# Altium PCB SupBigBrrg_0.PcbDoc (part 28 of 29)
Units mm, origin at the board's own origin, x right, y up, seen from the top; angles counter-clockwise.
Board outline 400 x 344 mm, 6 copper layers (TopLayer, PlaneGnd, PlanePwr, MidLayer3, MidLayer4, BottomLayer); 1288 components, 1323 nets, 5024 pads, 1078 vias.
Unrouted connection lines stored in the file: 1824.
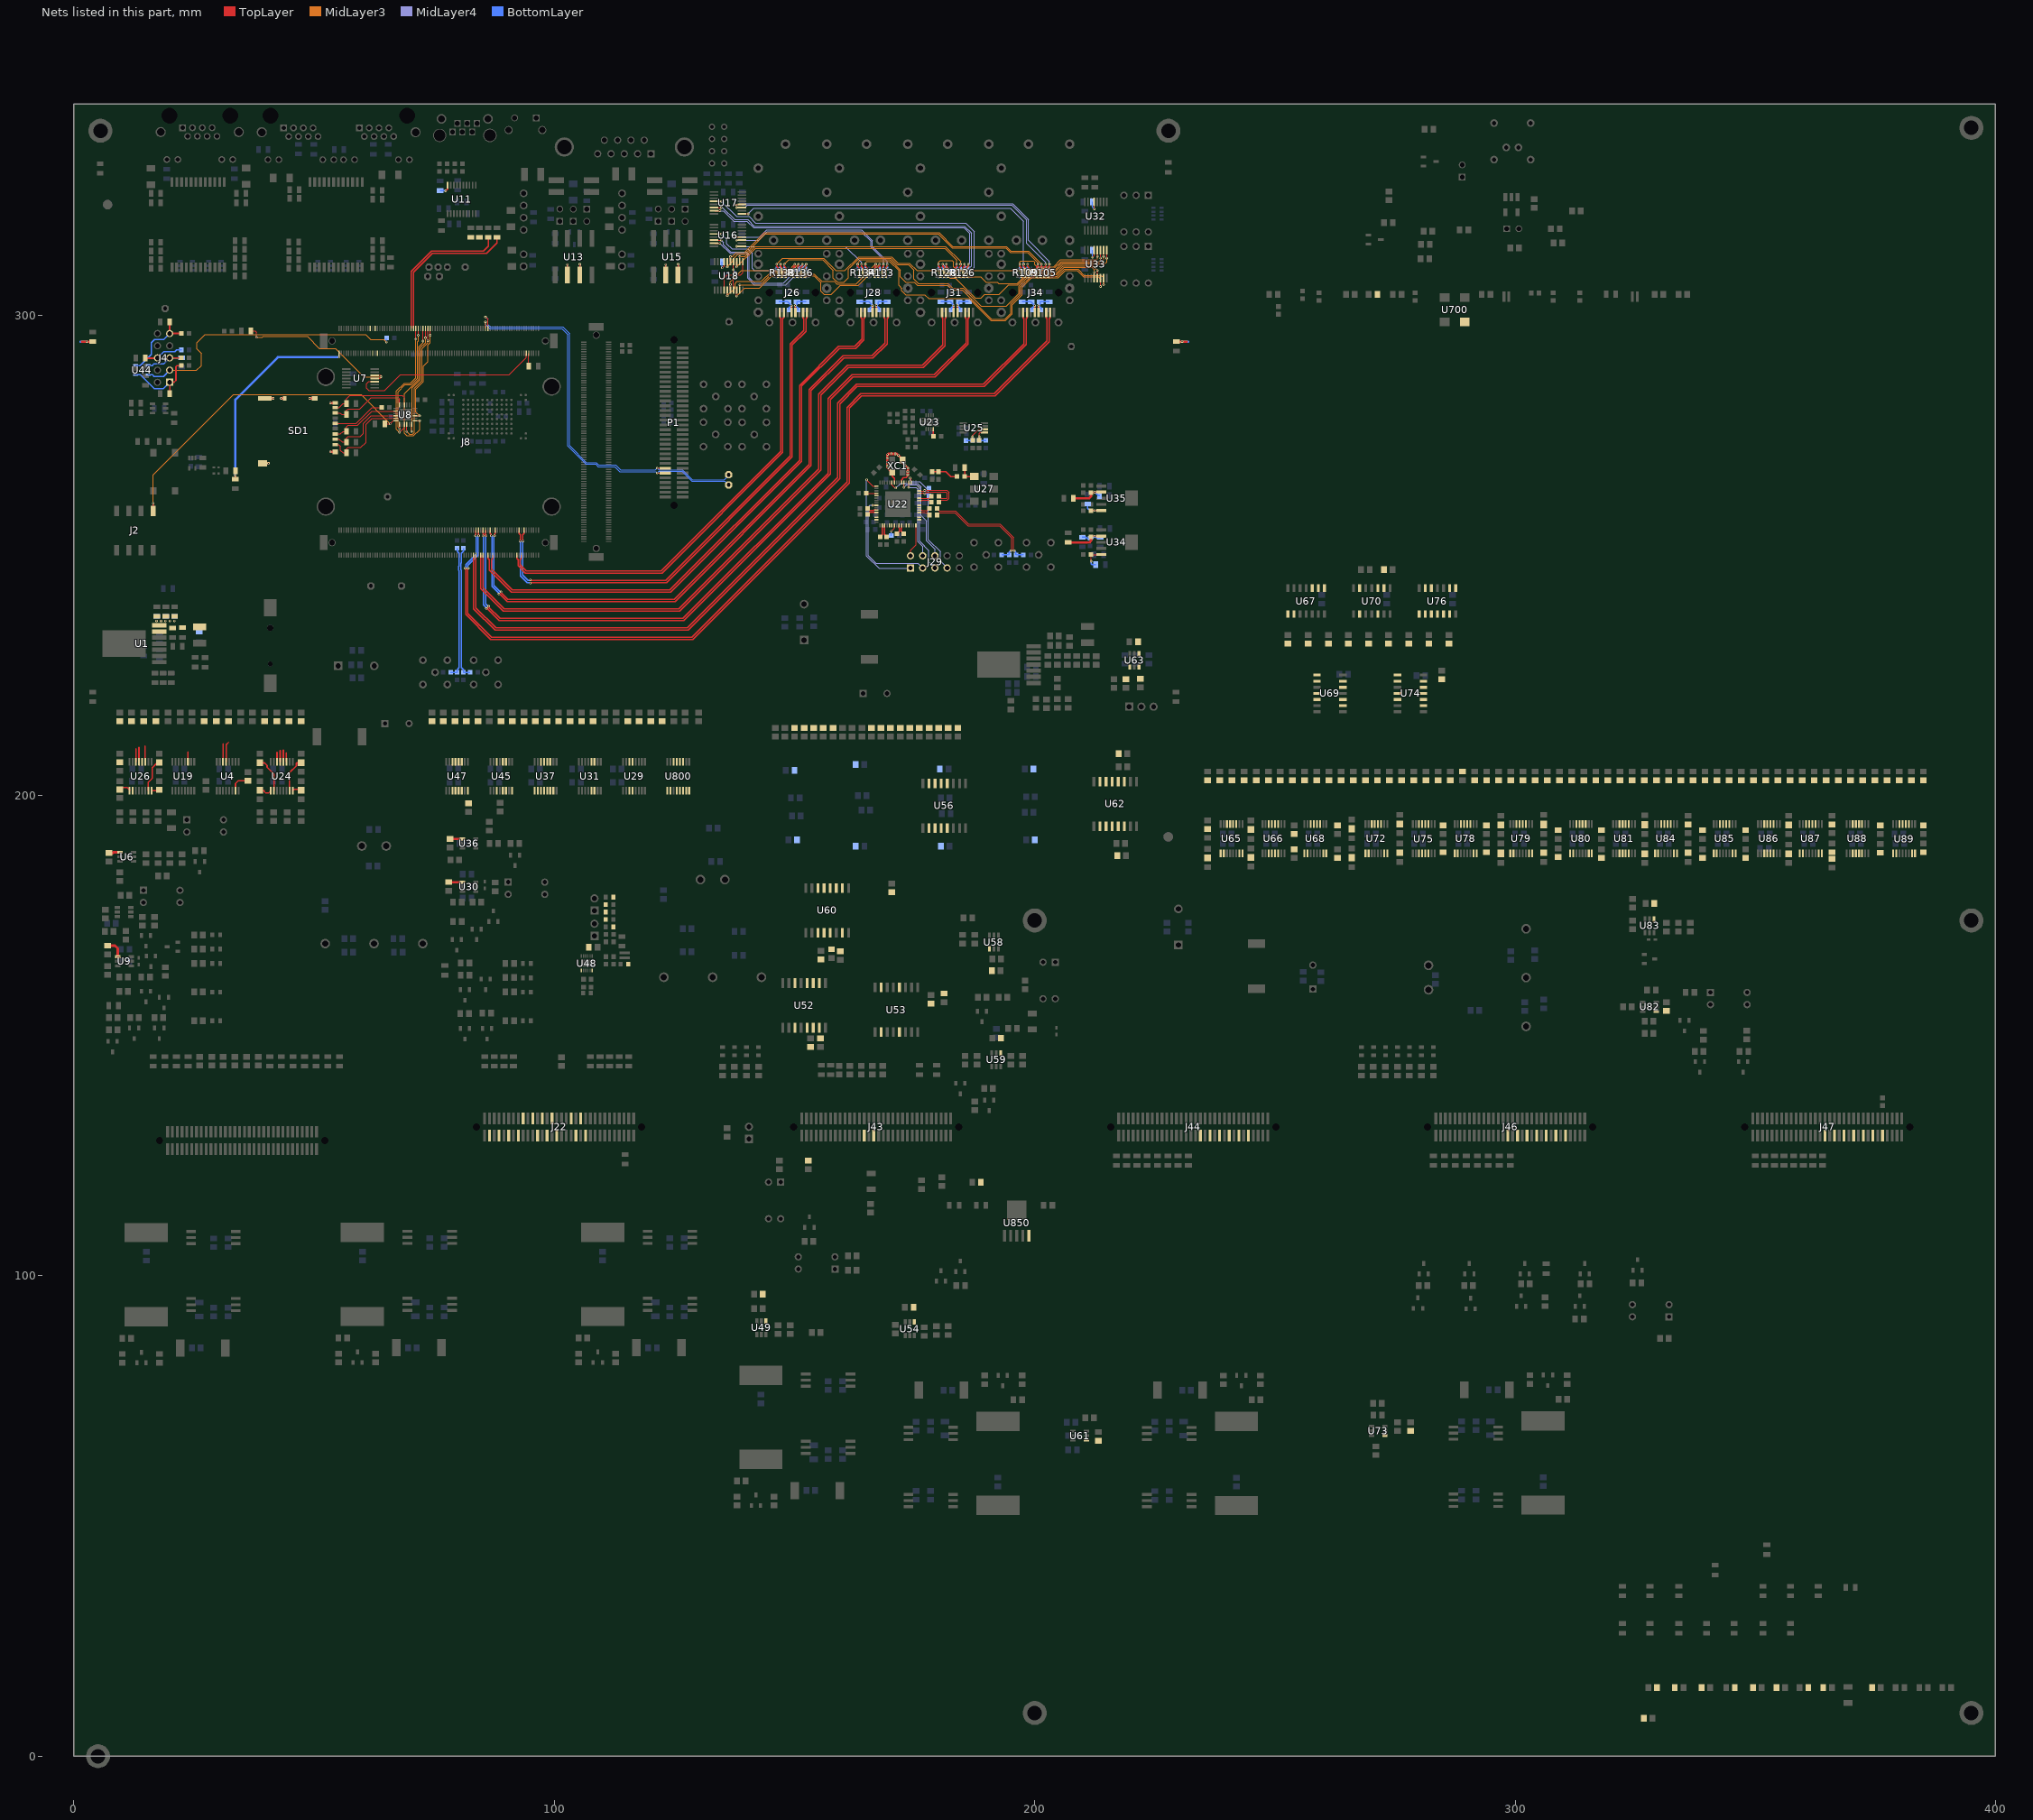
[diagram p32: the nets of this part, all layers, seen from the top]

## Via types
v1: diameter 0.5, hole 0.2, TopLayer to BottomLayer, tented both sides, 972 vias
v2: diameter 1, hole 0.5, TopLayer to BottomLayer, 104 vias
v3: diameter 0.5, hole 0.2, TopLayer to BottomLayer, 2 vias

## Nets (pads, with @x,y where several pads share a name; then routed paths per layer and width w, separated by ;. In a path a pad name is that pad's centre, name@x,y a point inside that pad or via, vN(x,y) a via of type N, cw(c..) or ccw(c..) an arc to the next point about the centre after c; other vN are vias at no path point) (continued)
NetR49_2: R49.2 U6.4 | length 2.5
  TopLayer w0.3: U6.4@9.55,188.25 U6.4@9.6,188.2
  TopLayer w0.5: R49.2@7.25,188.05 7.3,188 8,188 8.2,188.2 U6.4@9.6,188.2
NetR60_1: R60.1 U23.16 | length 1.5
  TopLayer w0.3: R60.1@178.9,274.825 U23.16@178.9,276.275
NetR62_1: R62.1 R63.1 U27.4 | length 3.5
  TopLayer w0.25: R62.1@185.425,267.85 R63.1@185.425,266.425 185.46,266.39 U27.4@187.45,266.39
NetR65_2: R65.2 R124.2 R127.1 U25.2 | length 6.1
  TopLayer w0.15: R65.2@187.075,273.925 v1(187.075,274.7) 187.075,274.9 188.4,276.225 U25.2@189.5,276.225
  BottomLayer w0.25: R127.1@185.7,273.9 185.725,273.925 R124.2@187.075,273.925 v1(187.075,274.7)
NetR66_2: R66.2 R118.1 R122.2 U25.1 | length 4.6
  TopLayer w0.15: R66.2@188.45,274.025 v1(188.45,274.7) 188.45,275.375 188.65,275.575 U25.1@189.5,275.575
  BottomLayer w0.25: v1(188.45,274.7) R122.2@188.45,273.925 R118.1@189.825,273.925
NetR73_2: C59.1 C71.2 R73.2 U35.2 | length 8.1
  TopLayer w0.25: C59.1@211.725,263.075 212.429,263.075 v1(212.507,263.153)
  TopLayer w0.3: v1(212.507,263.153) U35.2@213.875,263.153
  TopLayer w0.5: R73.2@208.075,261.9 211.325,261.9 211.725,262.3 C59.1@211.725,263.075
  BottomLayer w0.25: v1(212.507,263.153) 213.252,262.408 C71.2@213.525,262.408
NetR74_2: C57.1 C75.2 C77.2 R74.2 R96.2 U34.2 | length 12.1
  TopLayer w0.3: C57.1@211.723,253.875 211.843,253.995 v1(212.507,253.995) U34.2@213.875,253.995
  TopLayer w0.5: R74.2@206.925,252.7 211.425,252.7 211.723,252.998 C57.1@211.723,253.875
  BottomLayer w0.25: R96.2@209.923,253.775 210.675,253.775 210.9,253.55 C77.2@211.523,253.55 212.062,253.55 v1(212.507,253.995) 212.752,253.75 C75.2@213.673,253.75
NetR90_1: C56.1 R90.1 U34.5 | length 5.1
  TopLayer w0.15: C56.1@211.723,250.15 211.723,248.777 v1(211.725,248.775) ; C56.1@211.723,250.185 U34.5@213.875,250.185
  BottomLayer w0.25: v1(211.725,248.775) 211.725,248.3 211.95,248.075 R90.1@212.7,248.075
NetR93_2: R93.2 U33.13 | length 3.1
  TopLayer w0.15: v1(212.05,312.05) 212.4,312.4 U33.13@212.4,313.52
  BottomLayer w0.15: R93.2@212.025,313.5 212.025,312.075 v1(212.05,312.05)
NetR94_2: R94.2 U32.13 | length 3.1
  TopLayer w0.15: v1(212.4,322.1) U32.13@212.4,323.545
  BottomLayer w0.15: R94.2@212.025,323.55 212.025,322.475 v1(212.4,322.1)
NetR95_1: C54.1 R95.1 U35.5 | length 4.2
  TopLayer w0.3: C54.1@211.7,259.3 211.743,259.343 v1(212.507,259.343) U35.5@213.875,259.343
  BottomLayer w0.25: 211.05,260.225 211.05,259.85 211.557,259.343 v1(212.507,259.343)
NetR98_2: R98.2 U4.7 | length 4.3
  TopLayer w0.3: U4.7@33.625,201.021 33.625,202.525 34.2,203.1 R98.2@36.2,203.1
NetR100_2: R100.2 U9.4 | length 4
  TopLayer w0.5: R100.2@7,168.75 8.5,168.75 9.1,168.15 U9.4@9.1,166.45
NetR121_1: R121.1 R532.2 U24.2 | length 7.6
  TopLayer w0.3: R532.2@38.7,206.95 38.85,206.8 39.7,206.8 40.2,206.3 40.2,205.9 41.625,204.475 U24.2@41.625,201.021
NetR123_1: R123.1 R533.2 U24.1 | length 2.8
  TopLayer w0.3: R533.2@38.7,201.05 39.565,201.05 39.569,201.046 39.569,200.855 39.909,200.515 40.469,200.515 U24.1@40.975,201.021
NetR132_2: R132.2 U22.39 | length 2.4
  TopLayer w0.15: v1(170.15,255.05) 170.775,255.675 U22.39@170.775,256.225
  BottomLayer w0.15: R132.2@170.15,254.1 v1(170.15,255.05)
NetR142_1: R142.1 U18.4 U18.7 U18.11 U18.14 | length 16.3
  TopLayer w0.15: U18.4@135.35,305.225 135.35,307.75 135.95,308.35 137.3,308.35 ; U18.7@137.3,305.225 137.3,308.35 ; U18.14@137.3,311.125 v1(137.3,309.45) 137.3,308.375 ; U18.11@139.25,311.125 139.25,308.8 138.8,308.35 137.325,308.35 137.3,308.375 ; 137.3,308.35 137.3,308.375
  BottomLayer w0.15: v1(137.3,309.45) 137.6,309.15 R142.1@137.6,308.375
NetR144_2: R144.2 U18.17 | length 2.7
  TopLayer w0.15: v1(134.95,309.875) 135.35,310.275 U18.17@135.35,311.125
  BottomLayer w0.15: v1(134.95,309.875) R144.2@134.95,311.125
NetR148_1: R148.1 U15.3 | length 3.6
  TopLayer w0.25: v1(125.775,310.6) 125.775,308.45 U15.3@125.8,308.425
  BottomLayer w0.25: R148.1@125.775,309.2 v1(125.775,310.6)
NetR153_1: R153.1 U15.2 | length 3.6
  TopLayer w0.25: v1(123.175,310.55) 123.175,308.4 U15.2@123.2,308.375
  BottomLayer w0.25: R153.1@123.175,309.15 v1(123.175,310.55)
NetR156_1: R156.1 U13.3 | length 3.6
  TopLayer w0.25: v1(105.3,310.6) 105.3,308.45 U13.3@105.325,308.425
  BottomLayer w0.25: R156.1@105.3,309.2 v1(105.3,310.6)
NetR157_1: R157.1 U13.2 | length 3.6
  TopLayer w0.25: v1(102.7,310.55) 102.7,308.4 U13.2@102.725,308.375
  BottomLayer w0.25: R157.1@102.7,309.15 v1(102.7,310.55)
NetR174_1: R174.1 U11.20 | length 2.5
  TopLayer w0.25: v1(77.36,325.885) 77.785,326.31 U11.20@77.785,327.06
  BottomLayer w0.25: R174.1@76.26,325.935 77.31,325.935 v1(77.36,325.885)
NetR195_1: R195.1 R531.2 U24.8 | length 1.8
  TopLayer w0.3: U24.8@45.525,201.021 45.804,201.3 R531.2@47.25,201.3
NetR196_1: R196.1 R530.2 U24.7 | length 7.3
  TopLayer w0.3: U24.7@44.875,201.021 44.875,204.775 46.3,206.2 46.3,206.7 46.4,206.8 47.1,206.8 R530.2@47.25,206.95
NetR202_1: R202.1 R528.2 U26.2
NetR203_1: R203.1 R529.2 U26.1 | length 2.8
  TopLayer w0.3: R529.2@9.5,201.3 9.5,201.677 11.073,201.677 11.579,201.171 U26.1@11.579,201.021
NetR213_1: R213.1 R526.2 U26.7 | length 7
  TopLayer w0.3: U26.7@15.479,201.021 15.479,202.779 16.3,203.6 16.3,205.789 16.649,206.138 16.649,206.174 17.323,206.848 R213.1@17.752,206.848
NetR214_1: R214.1 U26.8 | length 1.7
  TopLayer w0.3: U26.8@16.129,201.021 17.571,201.021 R214.1@17.75,201.2
NetR217_2: R217.2 U30.4 | length 2.9
  TopLayer w0.5: R217.2@78,182 78.05,181.95 U30.4@80.854,181.95
NetR229_2: R229.2 U36.4 | length 2.6
  TopLayer w0.5: R229.2@78.254,191 78.304,190.95 U36.4@80.854,190.95
NetR255_2: R255.2 U47.8
NetR262_1: R262.1 R270.2 U48.1
NetR263_2: R263.2 U49.4
NetR264_2: R264.2 R269.2 R275.1
NetR266_1: R266.1 R273.2 U48.6
NetR302_2: R302.2 U54.4
NetR326_2: R326.2 U58.4
NetR327_2: R327.2 U59.4
NetR339_2: R339.2 U61.4
NetR341_1: R341.1 U62.10
NetR342_2: R342.2 U62.7
NetR343_2: R343.2 U63.1 U70.9
NetR344_2: R344.2 U63.4
NetR345_1: R345.1 U63.3
NetR347_2: R347.2 R351.2 U65.1
NetR348_1: R348.1 U65.14
NetR349_1: R349.1 R350.2 U65.2
NetR352_1: R352.1 U65.13
NetR354_1: R354.1 U65.12
NetR355_1: R355.1 U65.11
NetR356_1: R356.1 R357.2 U65.7
NetR358_2: R358.2 R359.1 U65.8
NetR361_1: R361.1 U66.14
NetR363_1: R363.1 U66.13
NetR364_1: R364.1 U66.12
NetR365_1: R365.1 U69.4
NetR366_1: R366.1 U66.11
NetR367_2: R367.2 U68.1
NetR368_2: R368.2 U68.2
NetR369_1: R369.1 U68.14
NetR370_1: R370.1 U69.1
NetR371_1: R371.1 U68.13
NetR372_1: R372.1 U69.12
NetR373_1: R373.1 U68.12
NetR374_2: R374.2 U68.7
NetR375_2: R375.2 U68.8
NetR376_1: R376.1 U68.11
NetR377_1: R377.1 U69.9
NetR378_2: R378.2 R380.1 U72.2
NetR379_2: R379.2 R381.2 U72.1
NetR382_1: R382.1 U72.14
NetR384_1: R384.1 U72.13
NetR385_1: R385.1 U74.4
NetR389_1: R389.1 U72.12
NetR390_2: R390.2 U70.2 U70.3
NetR392_1: R392.1 U74.1
NetR393_1: R393.1 U72.11
NetR395_1: R395.1 R396.2 U72.7
NetR397_2: R397.2 R398.1 U72.8
NetR399_1: R399.1 U75.14
NetR400_2: R400.2 U74.12
NetR402_2: R402.2 U73.4
NetR403_1: R403.1 U75.12
NetR406_1: R406.1 U75.13
NetR407_2: R407.2 U74.11
NetR409_1: R409.1 U75.11
NetR410_2: R410.2 U74.13
NetR411_2: R411.2 U78.2
NetR412_2: R412.2 U78.1
NetR413_1: R413.1 U74.9
NetR414_1: R414.1 U78.14
NetR415_2: R415.2 U78.13
NetR417_1: R417.1 U78.12
NetR418_2: R418.2 U78.7
NetR419_2: R419.2 U78.8
NetR420_1: R420.1 U78.11
NetR421_1: R421.1 U79.14
NetR422_1: R422.1 R423.2 U79.2
NetR424_2: R424.2 R425.2 U79.1
NetR426_1: R426.1 U79.13
NetR428_1: R428.1 U79.12
NetR430_1: R430.1 U79.11
NetR431_1: R431.1 R432.2 U79.7
NetR433_2: R433.2 R434.1 U79.8
NetR435_1: R435.1 U80.14
NetR436_2: R436.2 U80.2
NetR437_2: R437.2 U80.1
NetR439_1: R439.1 U80.13
NetR441_1: R441.1 U80.12
NetR443_1: R443.1 U80.11
NetR444_1: R444.1 U81.14
NetR445_2: R445.2 U80.7
NetR446_2: R446.2 U80.8
NetR447_1: R447.1 U81.13
NetR448_1: R448.1 U81.12
NetR450_1: R450.1 U81.11
NetR453_1: R453.1 U84.14
NetR454_1: R454.1 R455.2 U84.2
NetR456_2: R456.2 R457.2 U84.1
NetR459_2: R459.2 U83.4
NetR460_1: R460.1 U84.13
NetR462_2: R462.2 U82.4
NetR463_1: R463.1 U84.12
NetR465_1: R465.1 U84.11
NetR467_1: R467.1 R468.2 U84.7
NetR469_2: R469.2 R470.1 U84.8
NetR472_1: R472.1 U85.14
NetR474_2: R474.2 U85.2
NetR475_2: R475.2 U85.1
NetR477_1: R477.1 U85.13
NetR478_1: R478.1 U85.12
NetR479_1: R479.1 U85.11
NetR481_1: R481.1 U86.14
NetR482_2: R482.2 U85.7
NetR483_2: R483.2 U85.8
NetR485_1: R485.1 U86.13
NetR486_1: R486.1 U86.12
NetR487_1: R487.1 U86.11
NetR488_1: R488.1 R489.2 U87.2
NetR490_2: R490.2 R491.2 U87.1
NetR492_1: R492.1 U87.14
NetR493_1: R493.1 U87.13
NetR494_1: R494.1 U87.12
NetR495_1: R495.1 U87.11
NetR496_1: R496.1 R497.2 U87.7
NetR498_2: R498.2 R499.1 U87.8
NetR500_1: R500.1 U88.14
NetR501_1: R501.1 U88.13
NetR502_1: R502.1 U88.12
NetR503_1: R503.1 U88.11
NetR504_2: R504.2 U89.1
NetR505_2: R505.2 U89.2
NetR506_1: R506.1 U89.14
NetR507_1: R507.1 U89.13
NetR508_1: R508.1 U89.12
NetR509_1: R509.1 U89.11
NetR510_2: R510.2 U89.7
NetR511_2: R511.2 U89.8
NetR515_1: R515.1 U60.7
NetR516_2: R516.2 U60.10
NetR518_1: R518.1 U56.10
NetR519_2: R519.2 U56.7
NetR520_1: R520.1 U53.10
NetR521_2: R521.2 U53.7
NetR522_1: R522.1 U52.7
NetR523_2: R523.2 U52.10
NetR702_2: R702.2 U700.3
NetR800_1: R800.1 U800.8
NetR801_2: R801.2 U800.11
NetR802_1: R802.1 U800.6
NetR803_1: R803.1 U800.7
NetR804_2: R804.2 U800.12
NetR805_1: R805.1 U800.5
NetR806_1: R806.1 U800.2
NetR807_2: R807.2 U800.13
NetR808_1: R808.1 U800.4
NetR809_1: R809.1 U800.1
NetR851_2: R851.2 U850.5
NetU67_8: U67.8 U70.6 U76.8
NetU67_9: U67.9 U70.12 U76.1 U76.2 U76.9
OUT0_N: U22.21
OUT0_P: R53.1 U22.20 | length 2.1
  TopLayer w0.15: R53.1@164.925,262.925 U22.20@167.075,262.925
out1: J44.10 U66.6
out2: J44.14 U66.5
OUT2_N: C38.1 U22.27 | length 2
  TopLayer w0.25: C38.1@165.225,259.8 165.638,259.388 166.488,259.388 166.525,259.425 U22.27@167.075,259.425
OUT2_P: C37.1 U22.28 | length 2
  TopLayer w0.25: C37.1@165.225,258.525 165.663,258.963 166.488,258.963 166.525,258.925 U22.28@167.075,258.925
out3: J44.18 U66.4
OUT3_N: U22.30
OUT3_P: U22.31
out4: J44.22 U66.3
OUT4_N: C39.1 U22.34 | length 2.5
  TopLayer w0.25: C39.1@167.875,253.875 168.313,254.312 168.313,255.638 168.275,255.675 U22.34@168.275,256.225
OUT4_P: C40.1 U22.35 | length 2.6
  TopLayer w0.25: U22.35@168.775,256.225 168.775,255.675 168.738,255.638 168.738,254.338 C40.1@169.2,253.875
out5: J44.26 U75.6
OUT5_N: U22.37
OUT5_P: U22.38
out6: J44.30 U75.5
OUT6_N: C43.1 U22.41 | length 1.9
  TopLayer w0.25: C43.1@171.35,254.525 171.813,254.987 171.813,255.638 171.775,255.675 U22.41@171.775,256.225
OUT6_P: C44.1 U22.42 | length 1.9
  TopLayer w0.25: U22.42@172.275,256.225 172.275,255.675 172.238,255.638 172.238,254.988 C44.1@172.7,254.525
out7: U75.4
OUT7_N: U22.44
OUT7_P: U22.45
out8: J46.10 U75.3
OUT8_N: U22.50
OUT8_P: U22.51
out9: J46.14 U81.6
OUT9_N: C47.1 U22.53 | length 2.3
  TopLayer w0.15: U22.53@175.975,258.925 176.475,258.925 176.563,259.013 177.125,259.013 ; 177.14,259 177.24,258.9 177.55,258.9 C47.1@178.05,258.4
OUT9_P: C48.1 U22.54 | length 2.4
  TopLayer w0.15: U22.54@175.975,259.425 176.475,259.425 176.563,259.338 177.263,259.338 177.375,259.225 177.55,259.225 C48.1@178.05,259.725
out10: J46.18 U81.5
OUT10_N: U22.55
OUT10_P: U22.56
out11: J46.22 U81.4
out12: J46.26 U81.3
out13: J46.30 U86.6
out14: J46.34 J47.10 U86.5
out15: J47.14 U86.4
out16: J47.18 U86.3
out17: J47.22 U88.3
out18: J47.26 U88.4
out19: J47.30 U88.5
out20: J47.34 U88.6
P0_: R224.1 U29.13
P0dds: J22.22 U29.4
P1_: R256.1 U29.14
P1dds: J22.23 U29.3
P2_: R237.1 U31.11
P2dds: J22.26 U31.6
P3_: R249.1 U31.12
P3dds: J22.27 U31.5
POK_DDS: R233.1 U800.14
POK_HALL: R125.1 U26.11 | length 3.2
  TopLayer w0.3: U26.11@14.829,207.071 14.829,210.279
POK_int: R317.2 U60.11
PWR_EN: C32.2 J8.A10 | length 2.6
  TopLayer w0.2: C32.2@94.66,289.41 94.675,289.425 J8.A10@94.675,292.05
PWR_FAIL_LED: R25.1 U7.4 U7.5 | length 35
  TopLayer w0.15: R25.1@36.815,296.71 37.715,296.71 38,296.425 v1(38,295.4) ; U7.4@62.56,286.84 63.74,286.84 63.9,287 v1(63.9,287.188) 63.9,287.375 63.785,287.49 U7.5@62.56,287.49
  MidLayer3 w0.15: v1(38,295.4) 39.25,295.4 39.435,295.585 48.565,295.585 51.075,293.075 54.425,293.075 60.313,287.188 v1(63.9,287.188)
PWR_GOOD: J8.A12 U7.3 | length 39.9
  TopLayer w0.15: U7.3@62.56,286.19 61.365,286.19 60.95,285.775 60.95,284.775 61.425,284.3 64.675,284.3 67.975,287.6 90.6,287.6 94.175,291.175 J8.A12@94.175,292.05
Q9_N: C47.2 R115.2 R116.1 | length 23.3
  TopLayer w0.15: C47.2@179.65,258.4 180.15,258.9 183.35,258.9 186.075,256.175 192.65,256.175 195.25,253.575 195.25,251.173 v1(195.078,251)
  BottomLayer w0.25: R116.1@193.125,250.1 R115.2@194.7,250.1 194.7,250.623 v1(195.078,251)
Q9_P: C48.2 R108.1 R112.2 | length 23.8
  TopLayer w0.15: C48.2@179.65,259.725 180.15,259.225 183.485,259.225 186.21,256.5 192.785,256.5 195.575,253.71 195.575,251.173 v1(195.748,251)
  BottomLayer w0.25: v1(195.748,251) 196.1,250.647 R112.2@196.1,250.1 R108.1@197.65,250.1
QBR_N: J8.A45 P1.12 TP11.1 | length 82
  TopLayer w0.15: J8.A45@85.675,297.25 v1(85.675,298.625) ; v1(121.425,267.15) P1.12@123.1,267.15
  BottomLayer w0.15: v1(85.675,298.625) 85.675,298.065 86.54,297.2 101.625,297.2 102.81,296.015 102.81,272.731 106.54,269 108.6,269 109.1,268.5 112.6,268.5 113.65,267.45 121.125,267.45 v1(121.425,267.15) 121.763,267.487 126.563,267.487 128.6,265.45 135.525,265.45 TP11.1@136.3,264.675
QBR_P: J8.A43 P1.14 TP12.1 | length 84
  TopLayer w0.15: v1(85.675,299.625) 86.175,299.125 J8.A43@86.175,297.25 ; v1(121.425,268.15) P1.14@123.1,268.15
  BottomLayer w0.15: v1(85.675,299.625) 86.175,299.125 86.175,298.025 86.675,297.525 101.76,297.525 103.135,296.15 103.135,272.865 106.675,269.325 108.735,269.325 109.235,268.825 112.735,268.825 113.785,267.775 121.05,267.775 v1(121.425,268.15) 121.763,267.812 126.697,267.812 128.735,265.775 135.4,265.775 136.3,266.675 TP12.1@136.3,266.775
r_FDEC: J29.3 U22.25 | length 24.4
  TopLayer w0.15: v1(166.25,260.425) U22.25@167.075,260.425
  MidLayer4 w0.15: v1(166.25,260.425) 165.75,260.425 165.345,260.02 165.345,249.983 166.928,248.4 175.665,248.4 J29.3@176.685,247.38
r_FINC: J29.2 U22.48 | length 6.8
  TopLayer w0.15: J29.2@174.145,249.92 174.145,251.045 175.275,252.175 U22.48@175.275,256.225
r_ISEL0: J29.7 U22.3 | length 24
  TopLayer w0.15: v1(174.05,266.1) 174.275,265.875 U22.3@174.275,265.125
  MidLayer4 w0.15: v1(174.05,266.1) 174.05,265.625 174.33,265.345 176.08,265.345 177.875,263.55 177.875,253.251 180.35,250.776 180.35,248.795 J29.7@181.765,247.38
r_ISEL1: J29.4 U22.4 | length 17.3
  TopLayer w0.15: v1@173.775,264.2 U22.4@173.775,265.125
  MidLayer4 w0.15: v1(173.775,264.175) 175.275,264.175 175.7,263.75 175.7,252.825 176.685,251.84 J29.4@176.685,249.92
r_OEb: J29.6 U22.11 | length 23.1
  TopLayer w0.15: U22.11@170.275,265.125 170.275,264.675 170.925,264.025 v1(171.075,264.025)
  MidLayer4 w0.15: v1(171.075,264.025) 172.075,265.025 175.6,265.025 176.375,264.25 176.375,258.3 177.45,257.225 177.45,253.075 179.225,251.3 J29.6@179.225,249.92
r_RST: J29.5 U22.6 | length 22.7
  TopLayer w0.15: v1(172.775,264.175) U22.6@172.775,265.125
  MidLayer4 w0.15: v1(172.775,264.175) 173.3,264.7 175.4,264.7 176.025,264.075 176.02,264.07 176.02,252.958 177.975,251.003 177.975,248.63 J29.5@179.225,247.38
r_SDO: J29.1 U22.17 | length 28.6
  TopLayer w0.15: v1(165.025,265.725) 166.325,264.425 U22.17@167.075,264.425
  MidLayer4 w0.15: v1(165.025,265.725) 165.025,249.85 167.575,247.3 J29.1@174.145,247.3
RateSel0_SFP0: J26.7 R138.7 U33.4 | length 85.2
  TopLayer w0.15: U33.4@212.4,307.68 v1(212.4,308.95)
  TopLayer w0.3: v1(147.88,310.595) 147.88,310.22 148.175,309.925 J26.7@148.175,308.8
  MidLayer3 w0.15: v1(147.88,310.595) 148.81,311.525 155.88,311.525 158.075,309.33 158.075,307.725 158.925,306.875 160.325,306.875 161.225,307.775 161.225,309.547 163.523,311.845 170.055,311.845 171.37,310.53 173.72,310.53 174.875,309.375 174.875,307.525 175.825,306.575 182,306.575 182.95,305.625 185.072,305.625 188.822,301.875 194.075,301.875 196.7,304.5 196.7,306.075 199.075,308.45 204.615,308.45 206.1,309.935 211.99,309.935 212.4,309.525 v1(212.4,308.95)
  BottomLayer w0.15: R138.7@147.88,309.7 v1(147.88,310.595)
RateSel0_SFP1: J28.7 R134.7 U33.6 | length 69.8
  TopLayer w0.15: v1(213.7,305.975) U33.6@213.7,307.68
  TopLayer w0.3: v1(164.755,310.595) 164.755,310.22 165.05,309.925 J28.7@165.05,308.8
  MidLayer3 w0.15: v1(164.755,310.595) 164.755,310.88 165.075,311.2 169.775,311.2 171.7,309.275 171.7,306.225 172.335,305.59 172.335,305.04 173.125,304.25 177.125,304.25 177.925,303.45 186.325,303.45 190.925,298.85 193.9,298.85 195.32,300.27 195.32,302.195 197.345,304.22 197.345,305.795 199.35,307.8 204.9,307.8 206.38,309.28 208.861,309.28 210.14,308 213.225,308 213.7,307.525 v1(213.7,305.975)
  BottomLayer w0.15: R134.7@164.755,309.7 v1(164.755,310.595)
RateSel0_SFP2: J31.7 R128.7 U33.9 | length 42.8
  TopLayer w0.15: v1(215,311.875) U33.9@215,313.52
  TopLayer w0.3: v1(181.63,310.595) 181.63,310.22 181.925,309.925 J31.7@181.925,308.8
  MidLayer3 w0.15: v1(181.63,310.595) 181.63,309.395 183,308.025 188.725,308.025 189.85,306.9 192.25,306.9 192.525,306.625 196.322,306.625 198.792,309.095 204.348,309.095 205.833,310.58 214.48,310.58 215,311.1 v1(215,311.875)
  BottomLayer w0.15: R128.7@181.63,309.7 v1(181.63,310.595)
RateSel0_SFP3: J34.7 R109.7 U33.11 | length 21.3
  TopLayer w0.15: v1(213.7,311.875) U33.11@213.7,313.52
  TopLayer w0.3: v1(198.505,310.595) 198.505,310.22 198.8,309.925 J34.7@198.8,308.8
  MidLayer3 w0.15: v1(198.505,310.595) 198.505,310.12 198.875,309.75 204.058,309.75 205.538,311.23 213.33,311.23 213.7,311.6 v1(213.7,311.875)
  BottomLayer w0.15: R109.7@198.505,309.7 v1(198.505,310.595)
RateSel1_SFP0: J26.9 R138.5 U33.5 | length 80.7
  TopLayer w0.15: U33.5@213.05,307.68 v1(213.05,309.325)
  TopLayer w0.3: v1(146.28,310.595) 146.28,310.17 146.575,309.875 J26.9@146.575,308.8
  MidLayer3 w0.15: v1(146.28,310.595) 147.535,311.85 156.05,311.85 158.625,309.275 160.5,309.275 163.4,312.175 170.2,312.175 171.525,310.85 173.95,310.85 175.525,309.275 180.825,309.275 182.4,307.7 183.45,307.7 187.575,303.575 188.825,303.575 189.55,304.3 192.55,304.3 194.555,306.305 196.455,306.305 198.925,308.775 204.48,308.775 205.965,310.26 212.125,310.26 v1@213.055,309.33
  BottomLayer w0.15: R138.5@146.28,309.7 v1(146.28,310.595)
RateSel1_SFP1: J28.9 R134.5 U33.7 | length 70.4
  TopLayer w0.15: v1(214.35,306.35) U33.7@214.35,307.68
  TopLayer w0.3: v1(163.155,310.595) 163.155,310.17 163.45,309.875 J28.9@163.45,308.8
  MidLayer3 w0.15: v1(163.155,310.595) 163.155,310.93 163.75,311.525 169.91,311.525 172.025,309.41 172.025,308 173.125,306.9 174.95,306.9 175.6,306.25 181.872,306.25 182.817,305.305 184.94,305.305 191.045,299.2 193.775,299.2 195,300.425 195,302.328 197.025,304.353 197.025,305.928 199.217,308.12 204.745,308.12 206.23,309.605 208.995,309.605 210.275,308.325 213.85,308.325 214.35,307.825 v1(214.35,306.35)
  BottomLayer w0.15: R134.5@163.155,309.7 v1(163.155,310.595)
RateSel1_SFP2: J31.9 R128.5 U33.10 | length 42.2
  TopLayer w0.15: v1(214.35,312.25) U33.10@214.35,313.52
  TopLayer w0.3: v1(180.03,310.595) 180.03,310.17 180.325,309.875 J31.9@180.325,308.8
  MidLayer3 w0.15: v1(180.03,310.595) 180.03,311.08 180.35,311.4 182.825,311.4 183.125,311.1 183.125,310.05 183.85,309.325 197.625,309.325 197.725,309.425 204.205,309.425 205.69,310.91 213.91,310.91 214.35,311.35 v1(214.35,312.25)